# EAGLE board Mk4 Final a Panel score 2x5 (EAGLE 9.0.1), part 28 of 29 (continued)
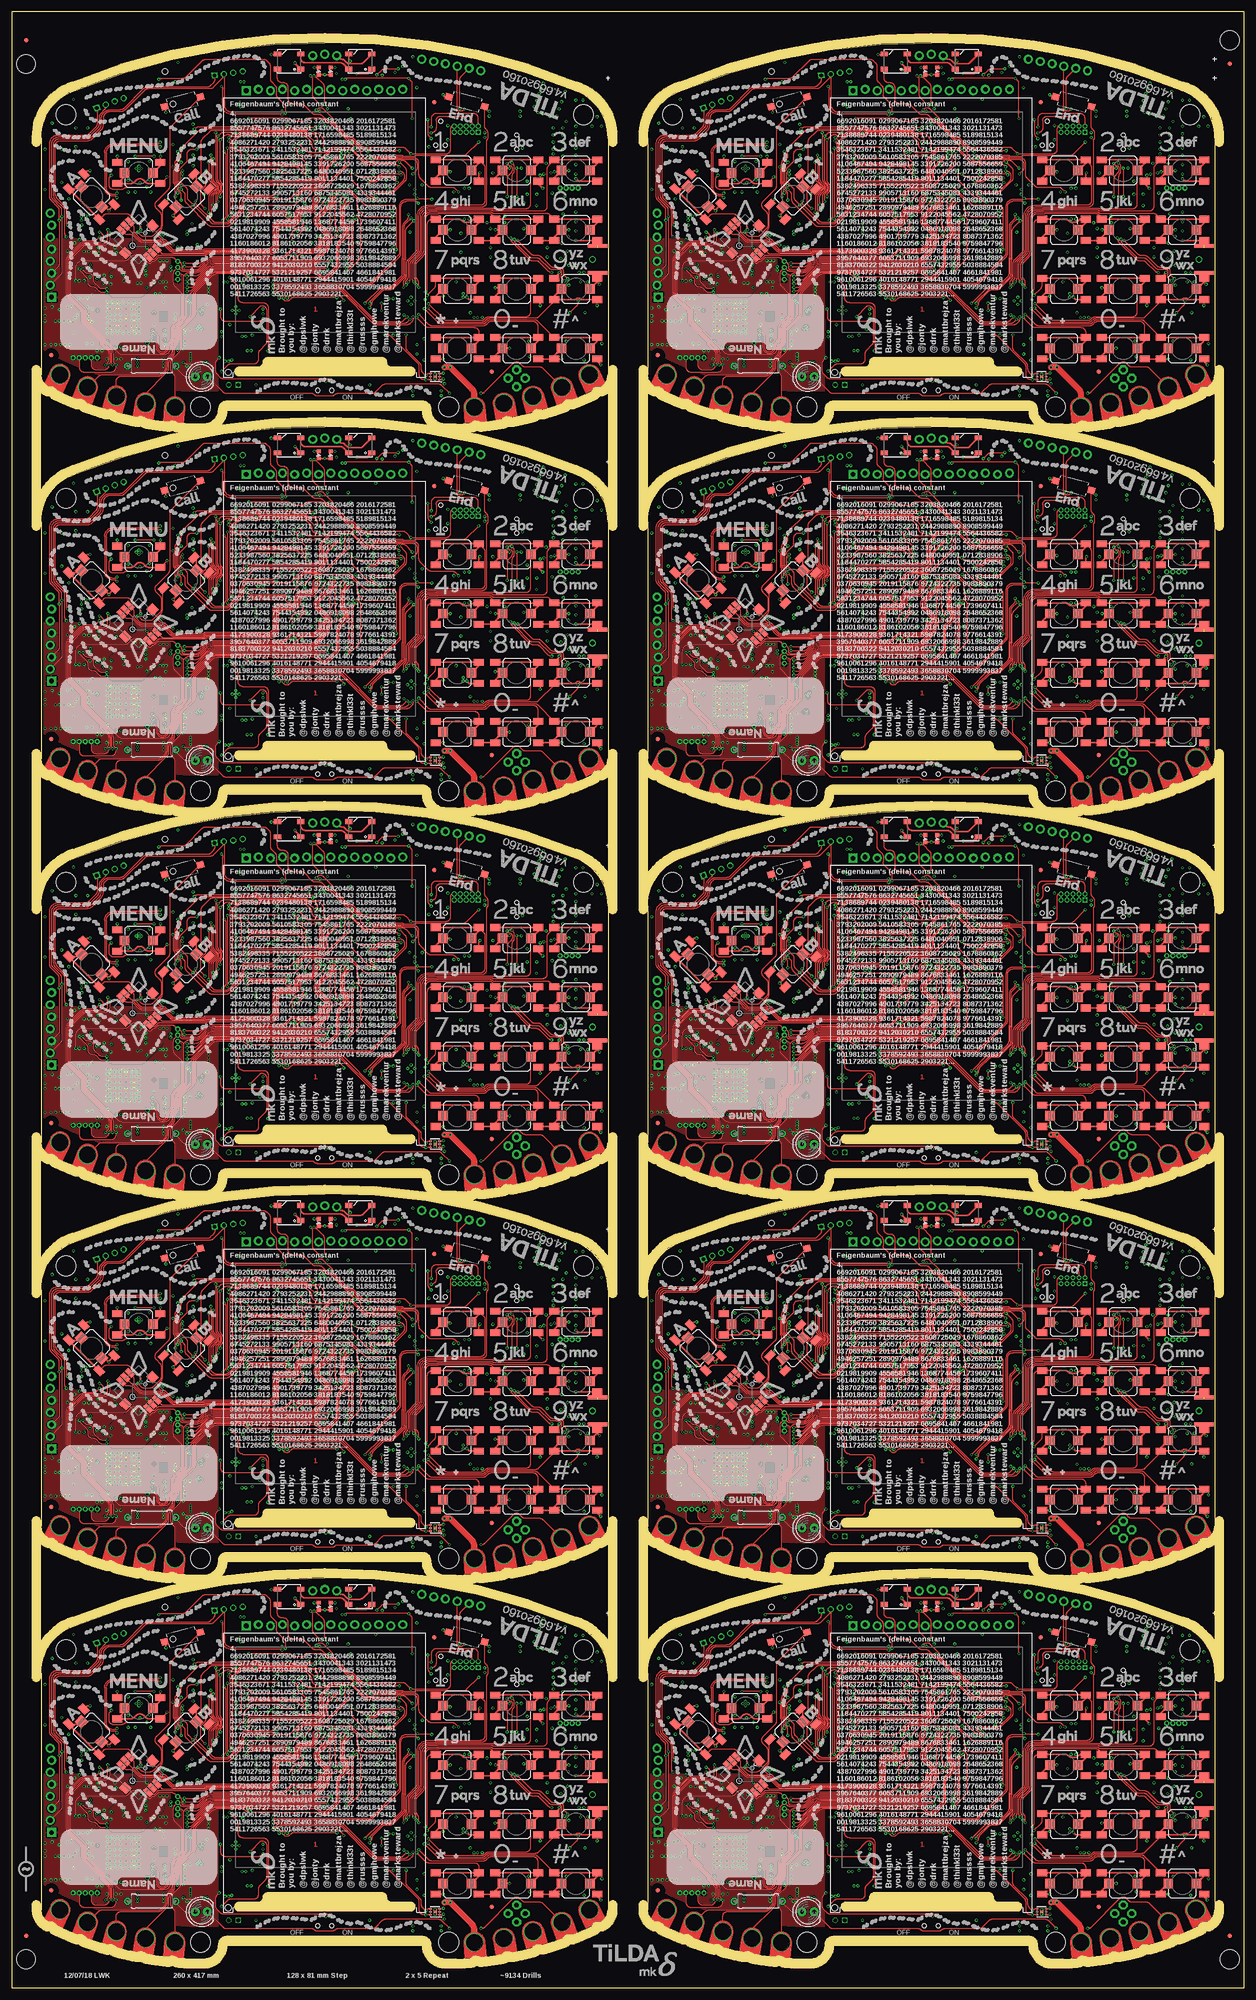
[diagram p0: board, top side]
## Tracks (layer width: path | path; a pad name or v marks a point on that pad's centre or on a via) (continued)
  pour Bottom (no thermals): 38.2,181.9 38.2,181.8 38.75,181.8 39.1,181.45 39.1,181.05 arc90 39.6,180.55 40.8,180.55 40.8,181.5 40.15,181.5 39.8,181.85 39,181.85 38.95,181.9
VBATT5  (via drill 0.3)
  Top 0.15: v164.2,181 arc45 164.68,180.8 168.3,180.8 v168.5,181
  Top 0.5: LED32.1 203.34,242.29 arc-45 202.64,242 v200.75,242 | LED31.1 187.75,244.1 v187.75,244.25
  3V3@2 0.5: 193.25,244.25 198.5,244.25 v200.75,242
  3V3@2 1: JP47.2 194,245 193.25,244.25 v187.75,244.25 169.5,244.25 166.5,241.25 166.5,234 165,232.5 v165,208.65 v165,208.05 | v169.25,181 v168.5,181 168.5,186.41 169.2,187.11 169.2,188.55 166.62,191.12 166.62,192.62 167.5,193.5 v167.5,205.3 167.5,205.5 v167.15,205.85
  Bottom 0.25: IC105.1 164.96,181.35 arc45 164.26,181.06 v164.2,181
  Bottom 0.4: TP110.TP v174.4,181.5
  Bottom 0.5: C543.1 188.62,244.25 v187.75,244.25
  Bottom 1: v165,208.65 v165,208.05 165,208 v167.15,205.85 167.5,205.5 v167.5,205.3
  other vias: 173.75,181.25 173,181.25 227.25,190.5 224.75,191.5 226.25,190.5 225.5,190.5
  pour Bottom (no thermals): 173.35,182.4 174.8,182.4 174.8,181.05 arc-90 174.3,180.55 168.65,180.55 168.65,181.5 172.85,181.5 arc90 173.35,182
  pour Bottom (no thermals): 227.09,190.25 225.25,190.25 arc-90 224.25,191.25 224.25,192 arc-90 225.25,193 235,193 arc90 236,194 236,197.25 arc-90 237,198.25 237.25,198.25 237.5,198.5 237.5,201 239,201 239,198.8 arc-90 238,197.8 237.75,197.8 arc90 236.75,196.8 236.75,192 arc-90 235.75,191 228.66,191 arc45 227.96,190.71 227.79,190.54 arc-45
  pour 3V3@2 (no thermals): 226,193.5 228.5,193.5 229.5,192.5 229.5,191 229,190.5 219.5,190.5 217.5,188.5 176,188.5 174.8,187.4 174.8,181.6 174.3,181 173,181 172.75,181.25 172.75,188.5 174.25,190 216,190 218.5,192.5 225,192.5
  pour Bottom (no thermals): 166.2,181.9 166.2,181.8 166.75,181.8 167.1,181.45 167.1,181.05 arc90 167.6,180.55 168.8,180.55 168.8,181.5 168.15,181.5 167.8,181.85 167,181.85 166.95,181.9
VBATT6  (via drill 0.3)
  Top 0.15: v36.2,262 arc45 36.68,261.8 40.3,261.8 v40.5,262
  Top 0.5: LED38.1 75.34,323.29 arc-45 74.64,323 v72.75,323 | LED37.1 59.75,325.1 v59.75,325.25
  3V3@2 0.5: 65.25,325.25 70.5,325.25 v72.75,323
  3V3@2 1: JP56.2 66,326 65.25,325.25 v59.75,325.25 41.5,325.25 38.5,322.25 38.5,315 37,313.5 v37,289.65 v37,289.05 | v41.25,262 v40.5,262 40.5,267.41 41.2,268.11 41.2,269.55 38.62,272.12 38.62,273.62 39.5,274.5 v39.5,286.3 39.5,286.5 v39.15,286.85
  Bottom 0.25: IC123.1 36.96,262.35 arc45 36.26,262.06 v36.2,262
  Bottom 0.4: TP129.TP v46.4,262.5
  Bottom 0.5: C651.1 60.62,325.25 v59.75,325.25
  Bottom 1: v37,289.65 v37,289.05 37,289 v39.15,286.85 39.5,286.5 v39.5,286.3
  other vias: 45.75,262.25 45,262.25 99.25,271.5 96.75,272.5 98.25,271.5 97.5,271.5
  pour Bottom (no thermals): 45.35,263.4 46.8,263.4 46.8,262.05 arc-90 46.3,261.55 40.65,261.55 40.65,262.5 44.85,262.5 arc90 45.35,263
  pour Bottom (no thermals): 99.09,271.25 97.25,271.25 arc-90 96.25,272.25 96.25,273 arc-90 97.25,274 107,274 arc90 108,275 108,278.25 arc-90 109,279.25 109.25,279.25 109.5,279.5 109.5,282 111,282 111,279.8 arc-90 110,278.8 109.75,278.8 arc90 108.75,277.8 108.75,273 arc-90 107.75,272 100.66,272 arc45 99.96,271.71 99.79,271.54 arc-45
  pour 3V3@2 (no thermals): 98,274.5 100.5,274.5 101.5,273.5 101.5,272 101,271.5 91.5,271.5 89.5,269.5 48,269.5 46.8,268.4 46.8,262.6 46.3,262 45,262 44.75,262.25 44.75,269.5 46.25,271 88,271 90.5,273.5 97,273.5
  pour Bottom (no thermals): 38.2,262.9 38.2,262.8 38.75,262.8 39.1,262.45 39.1,262.05 arc90 39.6,261.55 40.8,261.55 40.8,262.5 40.15,262.5 39.8,262.85 39,262.85 38.95,262.9
VBATT7  (via drill 0.3)
  Top 0.15: v164.2,262 arc45 164.68,261.8 168.3,261.8 v168.5,262
  Top 0.5: LED44.1 203.34,323.29 arc-45 202.64,323 v200.75,323 | LED43.1 187.75,325.1 v187.75,325.25
  3V3@2 0.5: 193.25,325.25 198.5,325.25 v200.75,323
  3V3@2 1: JP65.2 194,326 193.25,325.25 v187.75,325.25 169.5,325.25 166.5,322.25 166.5,315 165,313.5 v165,289.65 v165,289.05 | v169.25,262 v168.5,262 168.5,267.41 169.2,268.11 169.2,269.55 166.62,272.12 166.62,273.62 167.5,274.5 v167.5,286.3 167.5,286.5 v167.15,286.85
  Bottom 0.25: IC141.1 164.96,262.35 arc45 164.26,262.06 v164.2,262
  Bottom 0.4: TP148.TP v174.4,262.5
  Bottom 0.5: C759.1 188.62,325.25 v187.75,325.25
  Bottom 1: v165,289.65 v165,289.05 165,289 v167.15,286.85 167.5,286.5 v167.5,286.3
  other vias: 173.75,262.25 173,262.25 227.25,271.5 224.75,272.5 226.25,271.5 225.5,271.5
  pour Bottom (no thermals): 173.35,263.4 174.8,263.4 174.8,262.05 arc-90 174.3,261.55 168.65,261.55 168.65,262.5 172.85,262.5 arc90 173.35,263
  pour Bottom (no thermals): 227.09,271.25 225.25,271.25 arc-90 224.25,272.25 224.25,273 arc-90 225.25,274 235,274 arc90 236,275 236,278.25 arc-90 237,279.25 237.25,279.25 237.5,279.5 237.5,282 239,282 239,279.8 arc-90 238,278.8 237.75,278.8 arc90 236.75,277.8 236.75,273 arc-90 235.75,272 228.66,272 arc45 227.96,271.71 227.79,271.54 arc-45
  pour 3V3@2 (no thermals): 226,274.5 228.5,274.5 229.5,273.5 229.5,272 229,271.5 219.5,271.5 217.5,269.5 176,269.5 174.8,268.4 174.8,262.6 174.3,262 173,262 172.75,262.25 172.75,269.5 174.25,271 216,271 218.5,273.5 225,273.5
  pour Bottom (no thermals): 166.2,262.9 166.2,262.8 166.75,262.8 167.1,262.45 167.1,262.05 arc90 167.6,261.55 168.8,261.55 168.8,262.5 168.15,262.5 167.8,262.85 167,262.85 166.95,262.9
VBATT8  (via drill 0.3)
  Top 0.15: v36.2,343 arc45 36.68,342.8 40.3,342.8 v40.5,343
  Top 0.5: LED50.1 75.34,404.29 arc-45 74.64,404 v72.75,404 | LED49.1 59.75,406.1 v59.75,406.25
  3V3@2 0.5: 65.25,406.25 70.5,406.25 v72.75,404
  3V3@2 1: JP74.2 66,407 65.25,406.25 v59.75,406.25 41.5,406.25 38.5,403.25 38.5,396 37,394.5 v37,370.65 v37,370.05 | v41.25,343 v40.5,343 40.5,348.41 41.2,349.11 41.2,350.55 38.62,353.12 38.62,354.62 39.5,355.5 v39.5,367.3 39.5,367.5 v39.15,367.85
  Bottom 0.25: IC159.1 36.96,343.35 arc45 36.26,343.06 v36.2,343
  Bottom 0.4: TP167.TP v46.4,343.5
  Bottom 0.5: C867.1 60.62,406.25 v59.75,406.25
  Bottom 1: v37,370.65 v37,370.05 37,370 v39.15,367.85 39.5,367.5 v39.5,367.3
  other vias: 45.75,343.25 45,343.25 99.25,352.5 96.75,353.5 98.25,352.5 97.5,352.5
  pour Bottom (no thermals): 45.35,344.4 46.8,344.4 46.8,343.05 arc-90 46.3,342.55 40.65,342.55 40.65,343.5 44.85,343.5 arc90 45.35,344
  pour Bottom (no thermals): 99.09,352.25 97.25,352.25 arc-90 96.25,353.25 96.25,354 arc-90 97.25,355 107,355 arc90 108,356 108,359.25 arc-90 109,360.25 109.25,360.25 109.5,360.5 109.5,363 111,363 111,360.8 arc-90 110,359.8 109.75,359.8 arc90 108.75,358.8 108.75,354 arc-90 107.75,353 100.66,353 arc45 99.96,352.71 99.79,352.54 arc-45
  pour 3V3@2 (no thermals): 98,355.5 100.5,355.5 101.5,354.5 101.5,353 101,352.5 91.5,352.5 89.5,350.5 48,350.5 46.8,349.4 46.8,343.6 46.3,343 45,343 44.75,343.25 44.75,350.5 46.25,352 88,352 90.5,354.5 97,354.5
  pour Bottom (no thermals): 38.2,343.9 38.2,343.8 38.75,343.8 39.1,343.45 39.1,343.05 arc90 39.6,342.55 40.8,342.55 40.8,343.5 40.15,343.5 39.8,343.85 39,343.85 38.95,343.9
VBATT9  (via drill 0.3)
  Top 0.15: v164.2,343 arc45 164.68,342.8 168.3,342.8 v168.5,343
  Top 0.5: LED56.1 203.34,404.29 arc-45 202.64,404 v200.75,404 | LED55.1 187.75,406.1 v187.75,406.25
  3V3@2 0.5: 193.25,406.25 198.5,406.25 v200.75,404
  3V3@2 1: JP83.2 194,407 193.25,406.25 v187.75,406.25 169.5,406.25 166.5,403.25 166.5,396 165,394.5 v165,370.65 v165,370.05 | v169.25,343 v168.5,343 168.5,348.41 169.2,349.11 169.2,350.55 166.62,353.12 166.62,354.62 167.5,355.5 v167.5,367.3 167.5,367.5 v167.15,367.85
  Bottom 0.25: IC177.1 164.96,343.35 arc45 164.26,343.06 v164.2,343
  Bottom 0.4: TP186.TP v174.4,343.5
  Bottom 0.5: C975.1 188.62,406.25 v187.75,406.25
  Bottom 1: v165,370.65 v165,370.05 165,370 v167.15,367.85 167.5,367.5 v167.5,367.3
  other vias: 173.75,343.25 173,343.25 227.25,352.5 224.75,353.5 226.25,352.5 225.5,352.5
  pour Bottom (no thermals): 173.35,344.4 174.8,344.4 174.8,343.05 arc-90 174.3,342.55 168.65,342.55 168.65,343.5 172.85,343.5 arc90 173.35,344
  pour Bottom (no thermals): 227.09,352.25 225.25,352.25 arc-90 224.25,353.25 224.25,354 arc-90 225.25,355 235,355 arc90 236,356 236,359.25 arc-90 237,360.25 237.25,360.25 237.5,360.5 237.5,363 239,363 239,360.8 arc-90 238,359.8 237.75,359.8 arc90 236.75,358.8 236.75,354 arc-90 235.75,353 228.66,353 arc45 227.96,352.71 227.79,352.54 arc-45
  pour 3V3@2 (no thermals): 226,355.5 228.5,355.5 229.5,354.5 229.5,353 229,352.5 219.5,352.5 217.5,350.5 176,350.5 174.8,349.4 174.8,343.6 174.3,343 173,343 172.75,343.25 172.75,350.5 174.25,352 216,352 218.5,354.5 225,354.5
  pour Bottom (no thermals): 166.2,343.9 166.2,343.8 166.75,343.8 167.1,343.45 167.1,343.05 arc90 167.6,342.55 168.8,342.55 168.8,343.5 168.15,343.5 167.8,343.85 167,343.85 166.95,343.9
VBUS  (via drill 0.3)
  Top 0.2: v83.75,78.95 70.55,78.95 v70.35,78.75
  Top 0.22: v84.5,70.5 84.5,77.79 arc45 84.21,78.49 v83.75,78.95
  3V3@2 0.2: v51.5,34.75 46.75,34.75 v45.5,36
  3V3@2 0.75: 45,36 45,37.5 48.25,40.75 v48.25,73 v47.75,73.5 | v45.5,36 45,36 | 45,36 v44.75,36 | v48.25,78.25 69.25,78.25 v69.75,78.75 v70.35,78.75
  Bottom 0.15: v83.75,78.95 83.7,79 IC7.5
  Bottom 0.2: LED6.A v51.5,34.75
  Bottom 0.22: IC1.96 72.2,67.5 arc-90 73.2,68.5 83.5,68.5 arc90 84.5,69.5 v84.5,70.5
  Bottom 0.5: TP7.TP v69.75,78.75
  Bottom 0.75: L2.2 v69.75,78.75 | v48.25,73 47.79,73.46 arc-45 47.5,74.16 47.5,77.09 arc-45 47.79,77.79 v48.25,78.25 v49,78.25
  pour Bottom (no thermals): 46.05,31.7 46.05,35.95 45.65,36.35 44.65,36.35 44.25,35.95 44.25,31.8 44.85,31.2 45.6,31.2 45.6,31.7
VBUS1  (via drill 0.3)
  Top 0.2: v211.75,78.95 198.55,78.95 v198.35,78.75
  Top 0.22: v212.5,70.5 212.5,77.79 arc45 212.21,78.49 v211.75,78.95
  3V3@2 0.2: v179.5,34.75 174.75,34.75 v173.5,36
  3V3@2 0.75: 173,36 173,37.5 176.25,40.75 v176.25,73 v175.75,73.5 | v173.5,36 173,36 | 173,36 v172.75,36 | v176.25,78.25 197.25,78.25 v197.75,78.75 v198.35,78.75
  Bottom 0.15: v211.75,78.95 211.7,79 IC23.5
  Bottom 0.2: LED12.A v179.5,34.75
  Bottom 0.22: IC20.96 200.2,67.5 arc-90 201.2,68.5 211.5,68.5 arc90 212.5,69.5 v212.5,70.5
  Bottom 0.5: TP26.TP v197.75,78.75
  Bottom 0.75: L10.2 v197.75,78.75 | v176.25,73 175.79,73.46 arc-45 175.5,74.16 175.5,77.09 arc-45 175.79,77.79 v176.25,78.25 v177,78.25
  pour Bottom (no thermals): 174.05,31.7 174.05,35.95 173.65,36.35 172.65,36.35 172.25,35.95 172.25,31.8 172.85,31.2 173.6,31.2 173.6,31.7
VBUS2  (via drill 0.3)
  Top 0.2: v83.75,159.95 70.55,159.95 v70.35,159.75
  Top 0.22: v84.5,151.5 84.5,158.79 arc45 84.21,159.49 v83.75,159.95
  3V3@2 0.2: v51.5,115.75 46.75,115.75 v45.5,117
  3V3@2 0.75: 45,117 45,118.5 48.25,121.75 v48.25,154 v47.75,154.5 | v45.5,117 45,117 | 45,117 v44.75,117 | v48.25,159.25 69.25,159.25 v69.75,159.75 v70.35,159.75
  Bottom 0.15: v83.75,159.95 83.7,160 IC41.5
  Bottom 0.2: LED18.A v51.5,115.75
  Bottom 0.22: IC38.96 72.2,148.5 arc-90 73.2,149.5 83.5,149.5 arc90 84.5,150.5 v84.5,151.5
  Bottom 0.5: TP45.TP v69.75,159.75
  Bottom 0.75: L19.2 v69.75,159.75 | v48.25,154 47.79,154.46 arc-45 47.5,155.16 47.5,158.09 arc-45 47.79,158.79 v48.25,159.25 v49,159.25
  pour Bottom (no thermals): 46.05,112.7 46.05,116.95 45.65,117.35 44.65,117.35 44.25,116.95 44.25,112.8 44.85,112.2 45.6,112.2 45.6,112.7
VBUS3  (via drill 0.3)
  Top 0.2: v211.75,159.95 198.55,159.95 v198.35,159.75
  Top 0.22: v212.5,151.5 212.5,158.79 arc45 212.21,159.49 v211.75,159.95
  3V3@2 0.2: v179.5,115.75 174.75,115.75 v173.5,117
  3V3@2 0.75: 173,117 173,118.5 176.25,121.75 v176.25,154 v175.75,154.5 | v173.5,117 173,117 | 173,117 v172.75,117 | v176.25,159.25 197.25,159.25 v197.75,159.75 v198.35,159.75
  Bottom 0.15: v211.75,159.95 211.7,160 IC59.5
  Bottom 0.2: LED24.A v179.5,115.75
  Bottom 0.22: IC56.96 200.2,148.5 arc-90 201.2,149.5 211.5,149.5 arc90 212.5,150.5 v212.5,151.5
  Bottom 0.5: TP64.TP v197.75,159.75
  Bottom 0.75: L28.2 v197.75,159.75 | v176.25,154 175.79,154.46 arc-45 175.5,155.16 175.5,158.09 arc-45 175.79,158.79 v176.25,159.25 v177,159.25
  pour Bottom (no thermals): 174.05,112.7 174.05,116.95 173.65,117.35 172.65,117.35 172.25,116.95 172.25,112.8 172.85,112.2 173.6,112.2 173.6,112.7
VBUS4  (via drill 0.3)
  Top 0.2: v83.75,240.95 70.55,240.95 v70.35,240.75
  Top 0.22: v84.5,232.5 84.5,239.79 arc45 84.21,240.49 v83.75,240.95
  3V3@2 0.2: v51.5,196.75 46.75,196.75 v45.5,198
  3V3@2 0.75: 45,198 45,199.5 48.25,202.75 v48.25,235 v47.75,235.5 | v45.5,198 45,198 | 45,198 v44.75,198 | v48.25,240.25 69.25,240.25 v69.75,240.75 v70.35,240.75
  Bottom 0.15: v83.75,240.95 83.7,241 IC77.5
  Bottom 0.2: LED30.A v51.5,196.75
  Bottom 0.22: IC74.96 72.2,229.5 arc-90 73.2,230.5 83.5,230.5 arc90 84.5,231.5 v84.5,232.5
  Bottom 0.5: TP83.TP v69.75,240.75
  Bottom 0.75: L37.2 v69.75,240.75 | v48.25,235 47.79,235.46 arc-45 47.5,236.16 47.5,239.09 arc-45 47.79,239.79 v48.25,240.25 v49,240.25
  pour Bottom (no thermals): 46.05,193.7 46.05,197.95 45.65,198.35 44.65,198.35 44.25,197.95 44.25,193.8 44.85,193.2 45.6,193.2 45.6,193.7
VBUS5  (via drill 0.3)
  Top 0.2: v211.75,240.95 198.55,240.95 v198.35,240.75
  Top 0.22: v212.5,232.5 212.5,239.79 arc45 212.21,240.49 v211.75,240.95
  3V3@2 0.2: v179.5,196.75 174.75,196.75 v173.5,198
  3V3@2 0.75: 173,198 173,199.5 176.25,202.75 v176.25,235 v175.75,235.5 | v173.5,198 173,198 | 173,198 v172.75,198 | v176.25,240.25 197.25,240.25 v197.75,240.75 v198.35,240.75
  Bottom 0.15: v211.75,240.95 211.7,241 IC95.5
  Bottom 0.2: LED36.A v179.5,196.75
  Bottom 0.22: IC92.96 200.2,229.5 arc-90 201.2,230.5 211.5,230.5 arc90 212.5,231.5 v212.5,232.5
  Bottom 0.5: TP102.TP v197.75,240.75
  Bottom 0.75: L46.2 v197.75,240.75 | v176.25,235 175.79,235.46 arc-45 175.5,236.16 175.5,239.09 arc-45 175.79,239.79 v176.25,240.25 v177,240.25
  pour Bottom (no thermals): 174.05,193.7 174.05,197.95 173.65,198.35 172.65,198.35 172.25,197.95 172.25,193.8 172.85,193.2 173.6,193.2 173.6,193.7
VBUS6  (via drill 0.3)
  Top 0.2: v83.75,321.95 70.55,321.95 v70.35,321.75
  Top 0.22: v84.5,313.5 84.5,320.79 arc45 84.21,321.49 v83.75,321.95
  3V3@2 0.2: v51.5,277.75 46.75,277.75 v45.5,279
  3V3@2 0.75: 45,279 45,280.5 48.25,283.75 v48.25,316 v47.75,316.5 | v45.5,279 45,279 | 45,279 v44.75,279 | v48.25,321.25 69.25,321.25 v69.75,321.75 v70.35,321.75
  Bottom 0.15: v83.75,321.95 83.7,322 IC113.5
  Bottom 0.2: LED42.A v51.5,277.75
  Bottom 0.22: IC110.96 72.2,310.5 arc-90 73.2,311.5 83.5,311.5 arc90 84.5,312.5 v84.5,313.5
  Bottom 0.5: TP121.TP v69.75,321.75
  Bottom 0.75: L55.2 v69.75,321.75 | v48.25,316 47.79,316.46 arc-45 47.5,317.16 47.5,320.09 arc-45 47.79,320.79 v48.25,321.25 v49,321.25
  pour Bottom (no thermals): 46.05,274.7 46.05,278.95 45.65,279.35 44.65,279.35 44.25,278.95 44.25,274.8 44.85,274.2 45.6,274.2 45.6,274.7
VBUS7  (via drill 0.3)
  Top 0.2: v211.75,321.95 198.55,321.95 v198.35,321.75
  Top 0.22: v212.5,313.5 212.5,320.79 arc45 212.21,321.49 v211.75,321.95
  3V3@2 0.2: v179.5,277.75 174.75,277.75 v173.5,279
  3V3@2 0.75: 173,279 173,280.5 176.25,283.75 v176.25,316 v175.75,316.5 | v173.5,279 173,279 | 173,279 v172.75,279 | v176.25,321.25 197.25,321.25 v197.75,321.75 v198.35,321.75
  Bottom 0.15: v211.75,321.95 211.7,322 IC131.5
  Bottom 0.2: LED48.A v179.5,277.75
  Bottom 0.22: IC128.96 200.2,310.5 arc-90 201.2,311.5 211.5,311.5 arc90 212.5,312.5 v212.5,313.5
  Bottom 0.5: TP140.TP v197.75,321.75
  Bottom 0.75: L64.2 v197.75,321.75 | v176.25,316 175.79,316.46 arc-45 175.5,317.16 175.5,320.09 arc-45 175.79,320.79 v176.25,321.25 v177,321.25
  pour Bottom (no thermals): 174.05,274.7 174.05,278.95 173.65,279.35 172.65,279.35 172.25,278.95 172.25,274.8 172.85,274.2 173.6,274.2 173.6,274.7
VBUS8  (via drill 0.3)
  Top 0.2: v83.75,402.95 70.55,402.95 v70.35,402.75
  Top 0.22: v84.5,394.5 84.5,401.79 arc45 84.21,402.49 v83.75,402.95
  3V3@2 0.2: v51.5,358.75 46.75,358.75 v45.5,360
  3V3@2 0.75: 45,360 45,361.5 48.25,364.75 v48.25,397 v47.75,397.5 | v45.5,360 45,360 | 45,360 v44.75,360 | v48.25,402.25 69.25,402.25 v69.75,402.75 v70.35,402.75
  Bottom 0.15: v83.75,402.95 83.7,403 IC149.5
  Bottom 0.2: LED54.A v51.5,358.75
  Bottom 0.22: IC146.96 72.2,391.5 arc-90 73.2,392.5 83.5,392.5 arc90 84.5,393.5 v84.5,394.5
  Bottom 0.5: TP159.TP v69.75,402.75
  Bottom 0.75: L73.2 v69.75,402.75 | v48.25,397 47.79,397.46 arc-45 47.5,398.16 47.5,401.09 arc-45 47.79,401.79 v48.25,402.25 v49,402.25
  pour Bottom (no thermals): 46.05,355.7 46.05,359.95 45.65,360.35 44.65,360.35 44.25,359.95 44.25,355.8 44.85,355.2 45.6,355.2 45.6,355.7
VBUS9  (via drill 0.3)
  Top 0.2: v211.75,402.95 198.55,402.95 v198.35,402.75
  Top 0.22: v212.5,394.5 212.5,401.79 arc45 212.21,402.49 v211.75,402.95
  3V3@2 0.2: v179.5,358.75 174.75,358.75 v173.5,360
  3V3@2 0.75: 173,360 173,361.5 176.25,364.75 v176.25,397 v175.75,397.5 | v173.5,360 173,360 | 173,360 v172.75,360 | v176.25,402.25 197.25,402.25 v197.75,402.75 v198.35,402.75
  Bottom 0.15: v211.75,402.95 211.7,403 IC167.5
  Bottom 0.2: LED60.A v179.5,358.75
  Bottom 0.22: IC164.96 200.2,391.5 arc-90 201.2,392.5 211.5,392.5 arc90 212.5,393.5 v212.5,394.5
  Bottom 0.5: TP178.TP v197.75,402.75
  Bottom 0.75: L82.2 v197.75,402.75 | v176.25,397 175.79,397.46 arc-45 175.5,398.16 175.5,401.09 arc-45 175.79,401.79 v176.25,402.25 v177,402.25
  pour Bottom (no thermals): 174.05,355.7 174.05,359.95 173.65,360.35 172.65,360.35 172.25,359.95 172.25,355.8 172.85,355.2 173.6,355.2 173.6,355.7
VBUS_L
  Bottom 0.4: U1.VBUS arc-47 L2.1
VBUS_L1
  Bottom 0.4: U2.VBUS arc-47 L10.1
VBUS_L2
  Bottom 0.4: U7.VBUS arc-47 L19.1
VBUS_L3
  Bottom 0.4: U10.VBUS arc-47 L28.1
VBUS_L4
  Bottom 0.4: U13.VBUS arc-47 L37.1
VBUS_L5
  Bottom 0.4: U16.VBUS arc-47 L46.1
VBUS_L6
  Bottom 0.4: U19.VBUS arc-47 L55.1
VBUS_L7
  Bottom 0.4: U22.VBUS arc-47 L64.1
VBUS_L8
  Bottom 0.4: U25.VBUS arc-47 L73.1
VBUS_L9
  Bottom 0.4: U28.VBUS arc-47 L82.1
VDD_ANA  (via drill 0.3)
  Bottom 0.2: IC15.48 28.55,32.95
  Bottom 0.25: C44.1 20.1,35.4 20.96,34.54 arc-45 21.25,33.84 IC15.36 | IC15.25 18.91,28.75 arc-45 18.21,29.04 C62.1 v18,30
  Bottom 0.4: 28.55,32.95 arc45 29.03,32.75 C61.1 v30.25,33.5 | C44.1 v19.35,35.75
  Bottom 0.5: C63.1 17.45,39.6 v16.6,39.6 | C63.1 17.5,38.85 v16.6,38.85 | C63.1 L7.1
  pour 3V3@2 (rank 2, no thermals): 30.75,33.75 30.75,33 30.25,32.5 28.5,32.5 27.75,33.5 20.5,33.5 18.5,31.5 18.5,30 18,29.5 17.75,29.5 17.5,29.75 17.5,30.5 17.75,30.75 17.75,33.5 17.25,34 16.5,34 16,34.5 16,38.3 15.7,38.6 15.7,39.5 16.2,40 16.8,40 17.25,39.55 17.25,36.25 17.5,36 19,36 19.25,36.25 21.65,36.25 23.65,34.25 30.25,34.25
VDD_ANA1  (via drill 0.3)
  Bottom 0.2: IC29.48 156.55,32.95
  Bottom 0.25: C190.1 148.1,35.4 148.96,34.54 arc-45 149.25,33.84 IC29.36 | IC29.25 146.91,28.75 arc-45 146.21,29.04 C188.1 v146,30
  Bottom 0.4: 156.55,32.95 arc45 157.03,32.75 C191.1 v158.25,33.5 | C190.1 v147.35,35.75
  Bottom 0.5: C189.1 145.45,39.6 v144.6,39.6 | C189.1 145.5,38.85 v144.6,38.85 | C189.1 L16.1
  pour 3V3@2 (rank 2, no thermals): 158.75,33.75 158.75,33 158.25,32.5 156.5,32.5 155.75,33.5 148.5,33.5 146.5,31.5 146.5,30 146,29.5 145.75,29.5 145.5,29.75 145.5,30.5 145.75,30.75 145.75,33.5 145.25,34 144.5,34 144,34.5 144,38.3 143.7,38.6 143.7,39.5 144.2,40 144.8,40 145.25,39.55 145.25,36.25 145.5,36 147,36 147.25,36.25 149.65,36.25 151.65,34.25 158.25,34.25
VDD_ANA2  (via drill 0.3)
  Bottom 0.2: IC47.48 28.55,113.95
  Bottom 0.25: C298.1 20.1,116.4 20.96,115.54 arc-45 21.25,114.84 IC47.36 | IC47.25 18.91,109.75 arc-45 18.21,110.04 C296.1 v18,111
  Bottom 0.4: 28.55,113.95 arc45 29.03,113.75 C299.1 v30.25,114.5 | C298.1 v19.35,116.75
  Bottom 0.5: C297.1 17.45,120.6 v16.6,120.6 | C297.1 17.5,119.85 v16.6,119.85 | C297.1 L25.1
  pour 3V3@2 (rank 2, no thermals): 30.75,114.75 30.75,114 30.25,113.5 28.5,113.5 27.75,114.5 20.5,114.5 18.5,112.5 18.5,111 18,110.5 17.75,110.5 17.5,110.75 17.5,111.5 17.75,111.75 17.75,114.5 17.25,115 16.5,115 16,115.5 16,119.3 15.7,119.6 15.7,120.5 16.2,121 16.8,121 17.25,120.55 17.25,117.25 17.5,117 19,117 19.25,117.25 21.65,117.25 23.65,115.25 30.25,115.25
VDD_ANA3  (via drill 0.3)
  Bottom 0.2: IC65.48 156.55,113.95
  Bottom 0.25: C406.1 148.1,116.4 148.96,115.54 arc-45 149.25,114.84 IC65.36 | IC65.25 146.91,109.75 arc-45 146.21,110.04 C404.1 v146,111
  Bottom 0.4: 156.55,113.95 arc45 157.03,113.75 C407.1 v158.25,114.5 | C406.1 v147.35,116.75
  Bottom 0.5: C405.1 145.45,120.6 v144.6,120.6 | C405.1 145.5,119.85 v144.6,119.85 | C405.1 L34.1
  pour 3V3@2 (rank 2, no thermals): 158.75,114.75 158.75,114 158.25,113.5 156.5,113.5 155.75,114.5 148.5,114.5 146.5,112.5 146.5,111 146,110.5 145.75,110.5 145.5,110.75 145.5,111.5 145.75,111.75 145.75,114.5 145.25,115 144.5,115 144,115.5 144,119.3 143.7,119.6 143.7,120.5 144.2,121 144.8,121 145.25,120.55 145.25,117.25 145.5,117 147,117 147.25,117.25 149.65,117.25 151.65,115.25 158.25,115.25
VDD_ANA4  (via drill 0.3)
  Bottom 0.2: IC83.48 28.55,194.95
  Bottom 0.25: C514.1 20.1,197.4 20.96,196.54 arc-45 21.25,195.84 IC83.36 | IC83.25 18.91,190.75 arc-45 18.21,191.04 C512.1 v18,192
  Bottom 0.4: 28.55,194.95 arc45 29.03,194.75 C515.1 v30.25,195.5 | C514.1 v19.35,197.75
  Bottom 0.5: C513.1 17.45,201.6 v16.6,201.6 | C513.1 17.5,200.85 v16.6,200.85 | C513.1 L43.1
  pour 3V3@2 (rank 2, no thermals): 30.75,195.75 30.75,195 30.25,194.5 28.5,194.5 27.75,195.5 20.5,195.5 18.5,193.5 18.5,192 18,191.5 17.75,191.5 17.5,191.75 17.5,192.5 17.75,192.75 17.75,195.5 17.25,196 16.5,196 16,196.5 16,200.3 15.7,200.6 15.7,201.5 16.2,202 16.8,202 17.25,201.55 17.25,198.25 17.5,198 19,198 19.25,198.25 21.65,198.25 23.65,196.25 30.25,196.25
VDD_ANA5  (via drill 0.3)
  Bottom 0.2: IC101.48 156.55,194.95
  Bottom 0.25: C622.1 148.1,197.4 148.96,196.54 arc-45 149.25,195.84 IC101.36 | IC101.25 146.91,190.75 arc-45 146.21,191.04 C620.1 v146,192
  Bottom 0.4: 156.55,194.95 arc45 157.03,194.75 C623.1 v158.25,195.5 | C622.1 v147.35,197.75
  Bottom 0.5: C621.1 145.45,201.6 v144.6,201.6 | C621.1 145.5,200.85 v144.6,200.85 | C621.1 L52.1
  pour 3V3@2 (rank 2, no thermals): 158.75,195.75 158.75,195 158.25,194.5 156.5,194.5 155.75,195.5 148.5,195.5 146.5,193.5 146.5,192 146,191.5 145.75,191.5 145.5,191.75 145.5,192.5 145.75,192.75 145.75,195.5 145.25,196 144.5,196 144,196.5 144,200.3 143.7,200.6 143.7,201.5 144.2,202 144.8,202 145.25,201.55 145.25,198.25 145.5,198 147,198 147.25,198.25 149.65,198.25 151.65,196.25 158.25,196.25
VDD_ANA6  (via drill 0.3)
  Bottom 0.2: IC119.48 28.55,275.95
  Bottom 0.25: C730.1 20.1,278.4 20.96,277.54 arc-45 21.25,276.84 IC119.36 | IC119.25 18.91,271.75 arc-45 18.21,272.04 C728.1 v18,273
  Bottom 0.4: 28.55,275.95 arc45 29.03,275.75 C731.1 v30.25,276.5 | C730.1 v19.35,278.75
  Bottom 0.5: C729.1 17.45,282.6 v16.6,282.6 | C729.1 17.5,281.85 v16.6,281.85 | C729.1 L61.1
  pour 3V3@2 (rank 2, no thermals): 30.75,276.75 30.75,276 30.25,275.5 28.5,275.5 27.75,276.5 20.5,276.5 18.5,274.5 18.5,273 18,272.5 17.75,272.5 17.5,272.75 17.5,273.5 17.75,273.75 17.75,276.5 17.25,277 16.5,277 16,277.5 16,281.3 15.7,281.6 15.7,282.5 16.2,283 16.8,283 17.25,282.55 17.25,279.25 17.5,279 19,279 19.25,279.25 21.65,279.25 23.65,277.25 30.25,277.25
VDD_ANA7  (via drill 0.3)
  Bottom 0.2: IC137.48 156.55,275.95
  Bottom 0.25: C838.1 148.1,278.4 148.96,277.54 arc-45 149.25,276.84 IC137.36 | IC137.25 146.91,271.75 arc-45 146.21,272.04 C836.1 v146,273
  Bottom 0.4: 156.55,275.95 arc45 157.03,275.75 C839.1 v158.25,276.5 | C838.1 v147.35,278.75
  Bottom 0.5: C837.1 145.45,282.6 v144.6,282.6 | C837.1 145.5,281.85 v144.6,281.85 | C837.1 L70.1
  pour 3V3@2 (rank 2, no thermals): 158.75,276.75 158.75,276 158.25,275.5 156.5,275.5 155.75,276.5 148.5,276.5 146.5,274.5 146.5,273 146,272.5 145.75,272.5 145.5,272.75 145.5,273.5 145.75,273.75 145.75,276.5 145.25,277 144.5,277 144,277.5 144,281.3 143.7,281.6 143.7,282.5 144.2,283 144.8,283 145.25,282.55 145.25,279.25 145.5,279 147,279 147.25,279.25 149.65,279.25 151.65,277.25 158.25,277.25
VDD_ANA8  (via drill 0.3)
  Bottom 0.2: IC155.48 28.55,356.95
  Bottom 0.25: C946.1 20.1,359.4 20.96,358.54 arc-45 21.25,357.84 IC155.36 | IC155.25 18.91,352.75 arc-45 18.21,353.04 C944.1 v18,354
  Bottom 0.4: 28.55,356.95 arc45 29.03,356.75 C947.1 v30.25,357.5 | C946.1 v19.35,359.75
  Bottom 0.5: C945.1 17.45,363.6 v16.6,363.6 | C945.1 17.5,362.85 v16.6,362.85 | C945.1 L79.1
  pour 3V3@2 (rank 2, no thermals): 30.75,357.75 30.75,357 30.25,356.5 28.5,356.5 27.75,357.5 20.5,357.5 18.5,355.5 18.5,354 18,353.5 17.75,353.5 17.5,353.75 17.5,354.5 17.75,354.75 17.75,357.5 17.25,358 16.5,358 16,358.5 16,362.3 15.7,362.6 15.7,363.5 16.2,364 16.8,364 17.25,363.55 17.25,360.25 17.5,360 19,360 19.25,360.25 21.65,360.25 23.65,358.25 30.25,358.25
VDD_ANA9  (via drill 0.3)
  Bottom 0.2: IC173.48 156.55,356.95
  Bottom 0.25: C1054.1 148.1,359.4 148.96,358.54 arc-45 149.25,357.84 IC173.36 | IC173.25 146.91,352.75 arc-45 146.21,353.04 C1052.1 v146,354
  Bottom 0.4: 156.55,356.95 arc45 157.03,356.75 C1055.1 v158.25,357.5 | C1054.1 v147.35,359.75
  Bottom 0.5: C1053.1 145.45,363.6 v144.6,363.6 | C1053.1 145.5,362.85 v144.6,362.85 | C1053.1 L88.1